# Altium PCB Power.PcbDoc
Units mil, origin at the board's own origin, x right, y up, seen from the top; angles counter-clockwise.
Board outline 2755.91 x 2165.35 mil, 2 copper layers (Top Layer, Bottom Layer), stack 21 mil thick; 113 components, 62 nets, 285 pads, 683 vias.
Unrouted connection lines stored in the file: 32.
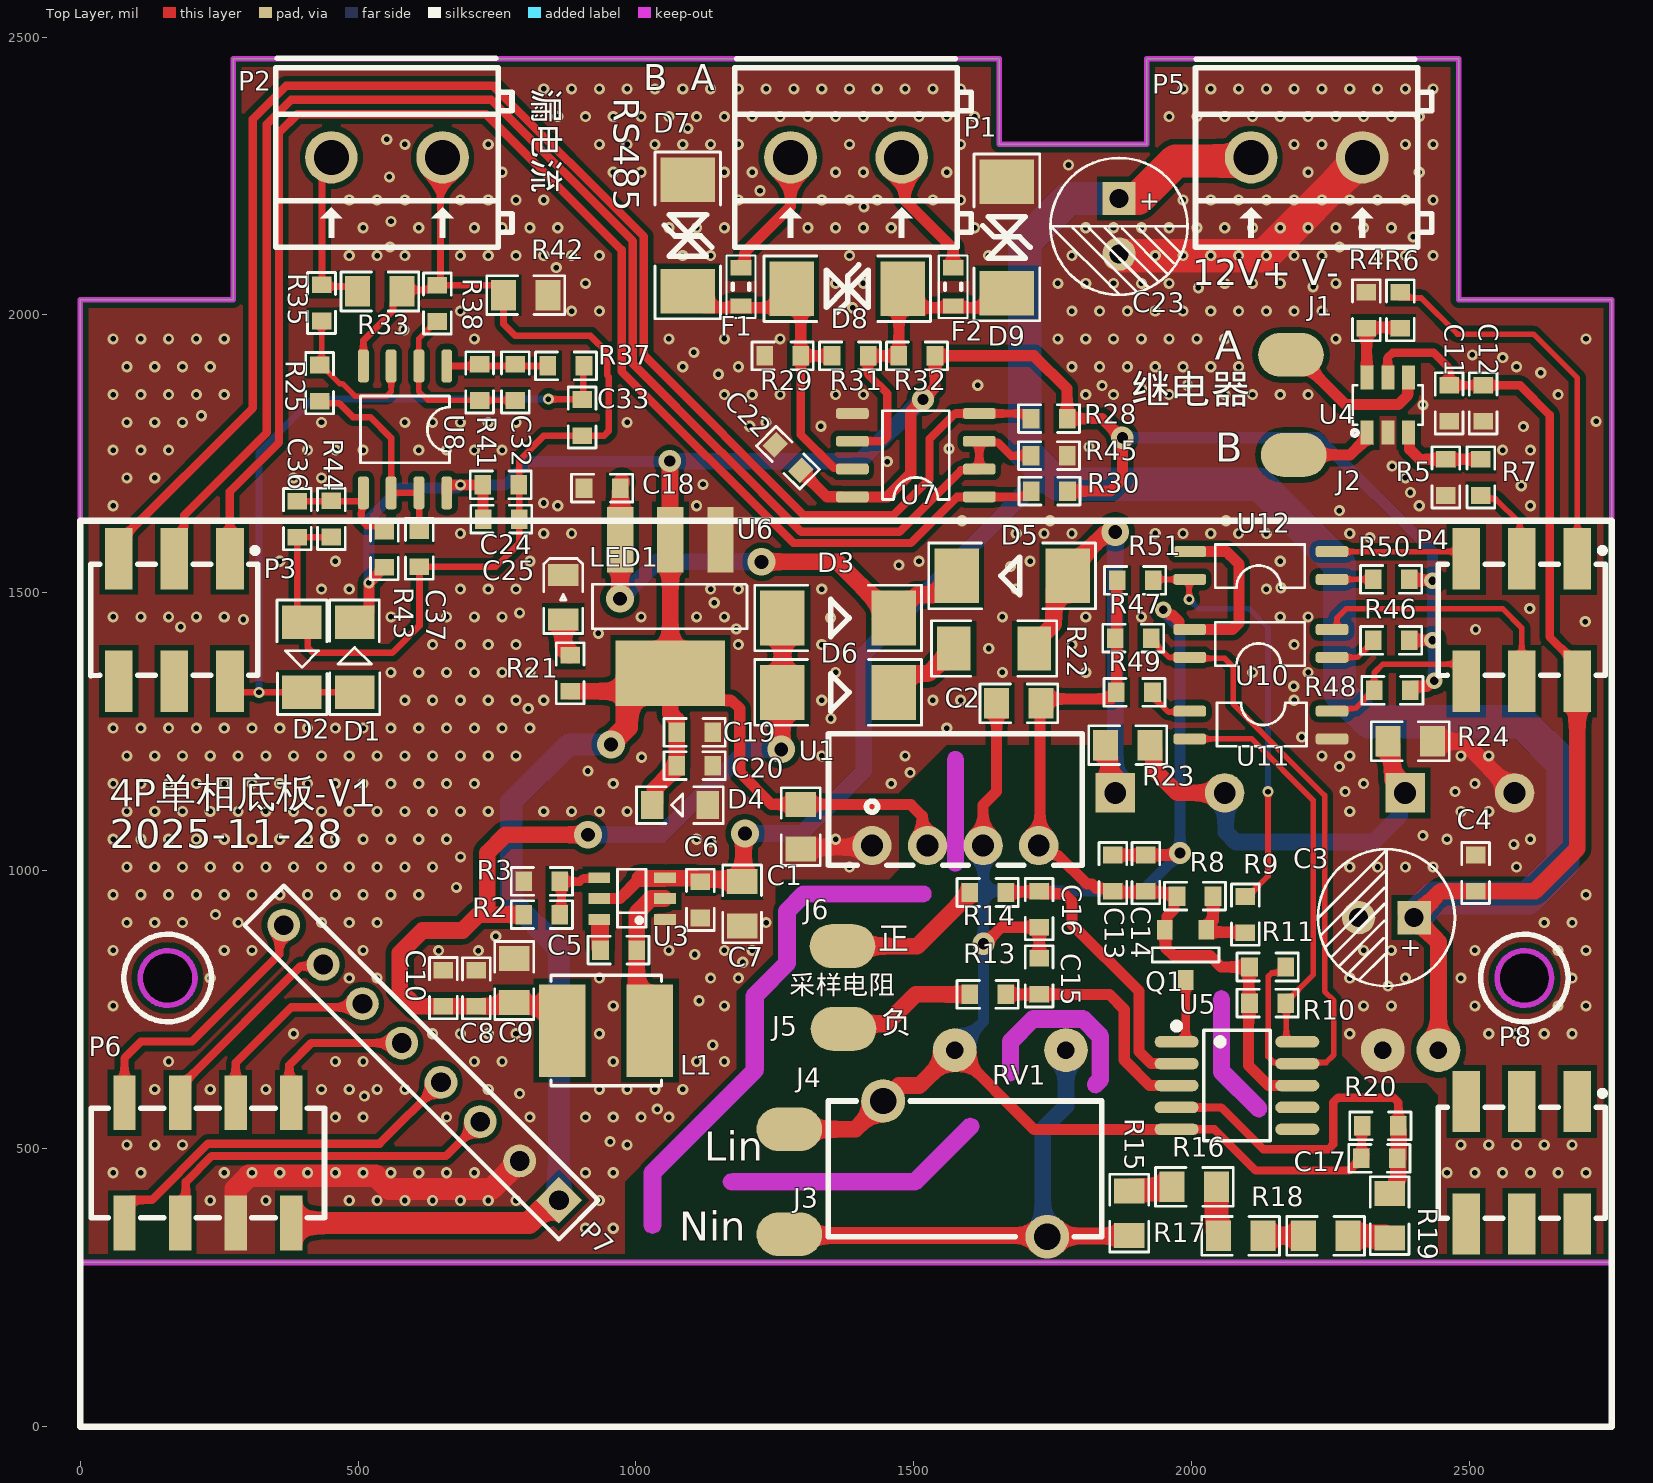
[diagram p0: Top Layer view]
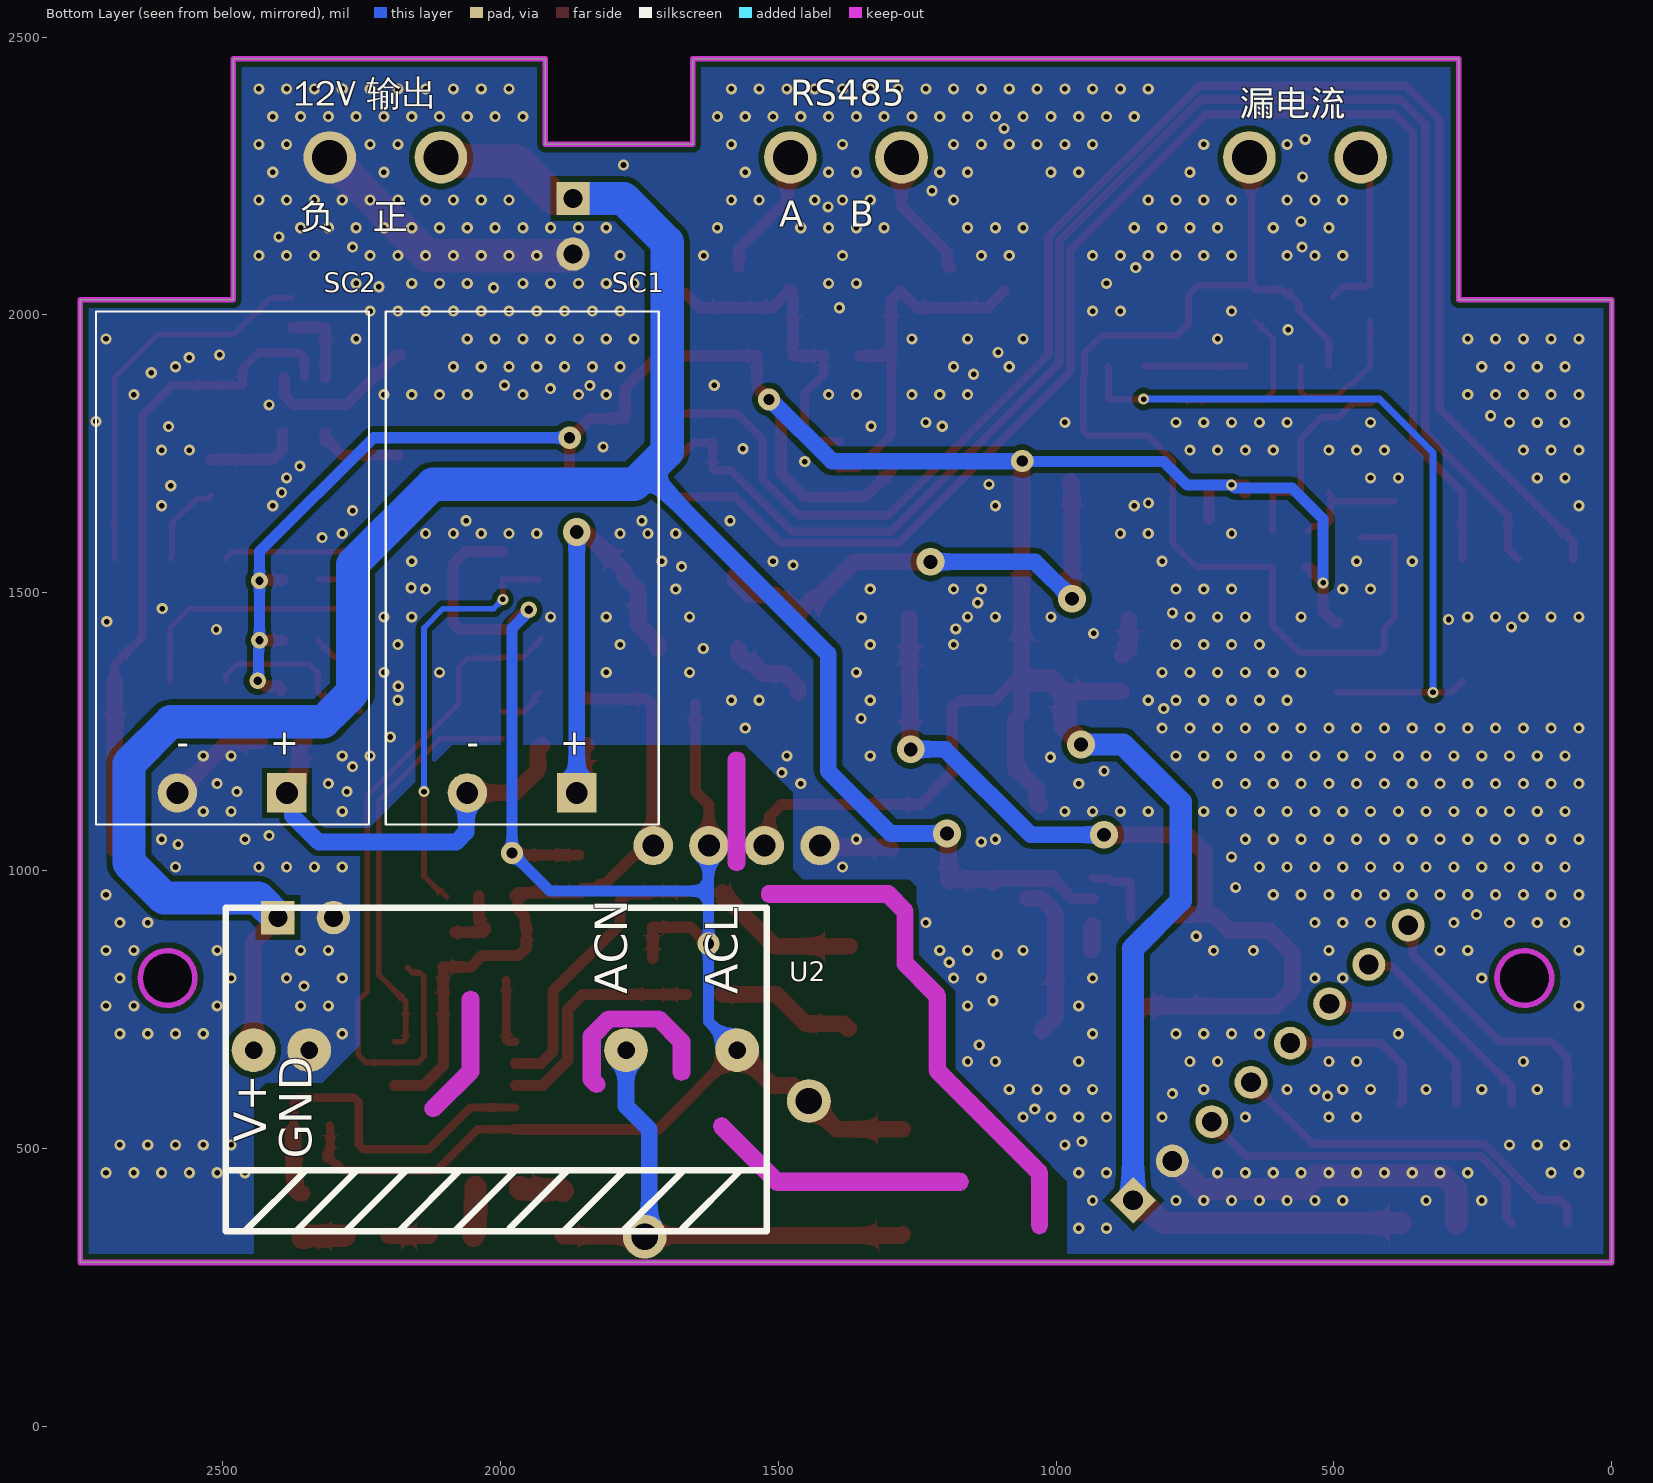
[diagram p1: Bottom Layer view, seen from below]

## Layer stack, top to bottom
Top Solder: solder mask 0.4, Solder Resist, Dk 3.5
Top Layer: signal copper 1.4
Dielectric 2: prepreg 2.8, Composite dielectric, Dk 4.1
Dielectric 1: prepreg 12.6, Composite dielectric, Dk 4.1
Dielectric 3: prepreg 2.8, Composite dielectric, Dk 4.1
Bottom Layer: signal copper 1.4
Bottom Solder: solder mask 0.4, Solder Resist, Dk 3.5

## Board outline
0,295.28 0,2027.56 275.59,2027.56 275.59,2460.63 1653.54,2460.63 1653.54,2307.45 1918.79,2307.45 1918.79,2460.13 1919.3,2460.63 2480.31,2460.63 2480.31,2027.56 2755.91,2027.56 2755.91,295.28
cut-out: 1172.23,425.45 cw(c1172.23,440.47) 1172.23,455.48 1495.82,455.48 1591.33,551 cw(c1601.95,540.38) 1616.96,540.38 cw(c1601.95,540.38) 1612.56,529.76 1512.65,429.85 1512.67,429.86 cw(c1502.04,440.47) 1502.04,425.45
cut-out: 1014.91,362.36 1014.91,456.93 cw(c1029.93,456.93) 1019.33,467.56 1019.31,467.54 1198.61,646.84 1198.61,775.08 cw(c1213.62,775.08) 1203.02,785.71 1203,785.7 1256.88,839.57 1256.88,927.4 cw(c1271.89,927.4) 1261.29,938.03 1261.27,938.02 1292.34,969.08 1292.32,969.07 cw(c1302.95,958.46) 1302.95,973.48 1515.77,973.48 cw(c1515.77,958.46) 1530.78,958.46 cw(c1515.77,958.46) 1515.77,943.45 1309.17,943.45 1286.91,921.18 1286.91,833.35 cw(c1271.89,833.35) 1282.49,822.72 1282.51,822.73 1228.64,768.86 1228.64,640.62 cw(c1213.62,640.62) 1224.23,629.99 1224.24,630 1044.94,450.71 1044.94,362.36 cw(c1029.93,362.36)
cut-out: 1559.76,1014.84 ccw(c1574.78,1014.84) 1589.79,1014.84 1589.79,1199.45 ccw(c1574.78,1199.45) 1559.76,1199.45
cut-out: 1658.98,637.64 ccw(c1674,637.64) 1689.01,637.64 1689.01,686.53 1720.57,718.08 1798.59,718.08 1820.42,696.26 1820.42,630.76 1816.24,626.58 ccw(c1826.86,615.96) 1837.47,605.34 1846.05,613.92 1846.04,613.91 ccw(c1835.44,624.54) 1850.45,624.54 1850.45,702.48 ccw(c1835.44,702.48) 1846.04,713.11 1846.05,713.09 1815.43,743.72 1815.44,743.7 ccw(c1804.81,733.1) 1804.81,748.11 1714.35,748.11 ccw(c1714.35,733.1) 1703.72,743.7 1703.73,743.72 1663.38,703.37 1663.39,703.38 ccw(c1674,692.75) 1658.98,692.75
cut-out: 2038.32,639.5 ccw(c2053.33,639.5) 2042.73,628.87 2042.71,628.88 2109.75,561.84 ccw(c2120.37,572.46) 2135.38,572.46 ccw(c2120.37,572.46) 2130.99,583.08 2068.35,645.72 2068.35,768.86 ccw(c2053.33,768.86) 2038.32,768.86
cut-out: 108.27,807.09 ccw(c157.48,807.09) 157.48,757.87 ccw(c157.48,807.09) 206.69,807.09 ccw(c157.48,807.09) 157.48,856.3 ccw(c157.48,807.09)
cut-out: 2549.21,807.09 ccw(c2598.43,807.09) 2598.43,757.87 ccw(c2598.43,807.09) 2647.64,807.09 ccw(c2598.43,807.09) 2598.43,856.3 ccw(c2598.43,807.09)

## Design rules (kind name [scope] priority, off if disabled: settings)
Clearance "Via to pad" [IsVia vs IsPad] p1: gap=10 ignorepadtopadclearanceinfootprint=FALSE
Clearance Ploy [InPoly] p2: gap=10 ignorepadtopadclearanceinfootprint=FALSE
Clearance "Track to pad" [IsTrack vs IsPad] p3: gap=8 ignorepadtopadclearanceinfootprint=FALSE
Clearance "Track to track" [IsTrack vs IsTrack] p4: gap=5 ignorepadtopadclearanceinfootprint=FALSE
Clearance "Via to Track" [IsVia vs IsTrack] p5: gap=10 ignorepadtopadclearanceinfootprint=FALSE
Clearance "Via To Via" [IsVia vs IsVia] p6: gap=10 ignorepadtopadclearanceinfootprint=FALSE
ComponentClearance [All] p1: gap=0 collisioncheckmode=3 verticalgap=0 showdistances=FALSE
DiffPairsRouting [All] p1: maxlimit=10 minlimit=7 mostfreqgap=7 toplayer_minwidth=5 toplayer_maxwidth=100 toplayer_prefwidth=7 bottomlayer_minwidth=5 bottomlayer_maxwidth=100 bottomlayer_prefwidth=7 maxuncoupledlength=500
HoleSize [All] p1: absolutevalues=TRUE maxlimit=200 minlimit=1 maxpercent=80.000 minpercent=20.000
HoleToHoleClearance [All] p1: gap=5 allowstackedmicrovias=TRUE
MinimumSolderMaskSliver [All] p1: minsoldermaskwidth=0
PolygonConnect [All vs (InPadClass('All Pads'))] p1: connectstyle=Direct reliefconductorwidth=10 reliefentries=4 polygonreliefangle="90 Angle" airgapwidth=10
PolygonConnect GND焊盘 [InNet('GND_1') vs (InPadClass('All Pads'))] p2: connectstyle=Relief reliefconductorwidth=10 reliefentries=4 polygonreliefangle="90 Angle" airgapwidth=10
PolygonConnect GND过孔 [All vs IsVia] p3: connectstyle=Direct reliefconductorwidth=10 reliefentries=4 polygonreliefangle="90 Angle" airgapwidth=10
RoutingVias RoutingVias_1 [InNet('AGND_1')] p1: holewidth=10 width=20 viastyle="Through Hole" minholewidth=10 minwidth=20 maxholewidth=28 maxwidth=50
RoutingVias [All] p2: holewidth=10 width=20 viastyle="Through Hole" minholewidth=10 minwidth=20 maxholewidth=28 maxwidth=50
SilkToSilkClearance [All] p1: silktosilkclearance=0
SilkToSolderMaskClearance [IsPad] p1: minsilkscreentomaskgap=0 clearancetoexposedcopper=TRUE
SolderMaskExpansion [All] p1: expansion=1 istentingtop=FALSE
Width [All] p1: maxlimit=300 minlimit=5 preferedwidth=7 minimp=50.000000 maximp=50.000000 favimp=50.000000
23 further rules are at their usual default settings.

## Classes and differential pairs
component class RS485: C22 D7 D8 D9 F1 F2 P1 R28 R29 R30 R31 R32 R45 U7
component class 漏电流检测: C24 C25 C32 C33 C36 C37 D1 D2 P2 R25 R33 R35 R37 R38 R41 R42 R43 R44 U8
component class 连接: P3 P4 P6 P7 P8
component class 继电器: C11 C12 J1 J2 R4 R5 R6 R7 U4
component class Power: C3 C4 C5 C6 C7 C8 C9 C10 C18 C19 C20 C23 D3 D4 D5 D6 L1 LED1 P5 R2 R3 R21 R22 R23 R24 SC1 SC2 U2 U3 U6
component class 计量: C1 C2 C13 C14 C15 C16 C17 J3 J4 J5 J6 Q1 R8 R9 R10 R11 R13 R14 R15 R16 R17 R18 R19 R20 R46 R47 R48 R49 R50 R51 RV1 U1 U5 U10 U11 U12

## Components (designator, comment, footprint, x,y, rotation, side; value= is the part's Value field where it differs from the comment)
C1 "4.7uF/25V" 0805R 1296.5,1119.49 r270 top
C2 "10uF/25V" 0805R 1729,1301.28 r180 top
C3 "100uF/25V" CAPPIND06 2400.2,915.67 r180 top
C4 "104/25V" 0603R 2510.58,1028.46 r270 top
C5 "104/25V" 0603R 1001.2,857.27 r180 top
C6 "10uF/25V" 0603R 1115.88,915.16 r90 top
C7 "22uF/25V" 0805R 1191.02,980.46 r270 top
C8 "10uF/25V" 0603R 713.11,821.14 r270 top
C9 "47uF/10V" 0805R 781,762.62 r90 top
C10 "104/10V" 0603R 653.63,821.32 r270 top
C11 "22uF/25V" 0603R 2463.03,1808.51 r90 top
C12 "104/25V" 0603R 2524.07,1808.51 r90 top
C13 "104/25V" 0603R 1858.13,1028.37 r270 top
C14 "10uF/25V" 0603R 1917.47,1028.37 r270 top
C15 "68nF/10V" 0603R 1725.61,777.58 r90 top
C16 "68nF/10V" 0603R 1725.61,963.46 r270 top
C17 "10nF/10V" 0603R 2369.91,482.47 r180 top
C18 "10uF/10V" 0603R 906.64,1688.37 r0 top
C19 "10uF/10V" 0603R 1138.16,1248.94 r180 top
C20 "104/10V" 0603R 1138.16,1189.09 r180 top
C22 "0.1uf/10V" 0603R 1296.5,1720.31 r135 top
C23 "100uF/25V" CAPPIND06 1869.07,2209.4 r270 top
C24 "10uF" 0603R 789.36,1694.25 r180 top
C25 "10uF" 0603R 790.23,1632.55 r180 top
C32 "0.1uF" 0603R 783.03,1846.22 r90 top
C33 "0.1uF" 0603R 903.25,1847.94 r270 top
C36 "100nF/16V" 0603R 390.78,1665.05 r270 top
C37 "100nF/16V" 0603R 610.51,1611.92 r270 top
D1 "1N4148" 1206D 494.03,1383.98 r90 top
D2 "1N4148" 1206D 399.03,1383.98 r270 top
D3 "SS34" DO-214AC 1463.62,1454.75 r0 top
D4 "SD03C" SOD323 1029.18,1118.21 r180 top
D5 "SS34" DO-214AC 1576.86,1530.61 r180 top
D6 "SS34" DO-214AC 1463.62,1320.89 r0 top
D7 "SMAJ6.8CA" "DO-214AC 双极性" 1093.29,2143.07 r90 top
D8 "SMAJ6.8CA" "DO-214AC 双极性" 1380.2,2047.12 r180 top
D9 "SMAJ6.8CA" "DO-214AC 双极性" 1667.31,2139.42 r270 top
F1 "60V 100mA" R0603 1189.06,2050.71 r90 top
F2 "60V 100mA" R0603 1570.73,2050.71 r90 top
J1 "J1" 贴片焊盘V1（3*2椭圆） 2178.45,1928.28 r0 top
J2 "J1" 贴片焊盘V1（3*2椭圆） 2183.55,1748.28 r0 top
J3 "J1" 贴片焊盘V1（3*2椭圆） 1276.08,346.07 r0 top
J4 "J1" 贴片焊盘V1（3*2椭圆） 1276.08,535.09 r0 top
J5 "J1" 贴片焊盘V1（3*2椭圆） 1373.46,715.55 r0 top
J6 "J1" 贴片焊盘V1（3*2椭圆） 1371.54,864.46 r0 top
L1 "4.7uH/3A" 贴片电感5020 1025.27,712.45 r0 top
LED1 "LED" 0603LED 869.28,1452.06 r90 top
P1 "Header 2" CONN-TH_P5.08_KF127-5.08-2P 1378.09,2283.58 r0 top locked
P2 "Header 2" CONN-TH_P5.08_KF127-5.08-2P 552.03,2283.58 r0 top locked
P3 "Header 3X2" CONN-SMD_5BME8-08872-203-W0 169.53,1451.26 r180 top
P4 "Header 3X2" CONN-SMD_5BME8-08872-203-W0 2593.69,1451.26 r180 top
P5 "Header 2" CONN-TH_P5.08_KF127-5.08-2P 2206.76,2283.58 r0 top locked
P6 "Header 4X2" CONN-SMD_5BME8-08872-204-W0 229.92,474.57 r180 top
P7 "Header 8" HDR1X8 861.48,407.25 r135 top
P8 "Header 3X2" CONN-SMD_5BME8-08872-203-W0 2593.69,474.57 r180 top
Q1 "AO3401" SOT-23 2026.36,893.98 r180 top
R2 "60.4K" 0603R 798.17,921.14 r0 top
R3 "103" 0603R 863.17,980.84 r180 top
R4 "4.7K/5%" 0603R 2313.99,2040.92 r270 top
R5 "4.7K/5%" 0603R 2457,1675.26 r90 top
R6 "100R/5%" 0603R 2375.25,2040.92 r270 top
R7 "100R/5%" 0603R 2520.12,1740.26 r270 top
R8 "47K/5%/0603" 0603R 2038.3,954.34 r180 top
R9 "4.7K/5%/0603" 0603R 2096.47,888.67 r90 top
R10 "2K/5%/0603" 0603R 2168.98,761.75 r180 top
R11 "2K/5%/0603" 0603R 2168.98,826.93 r180 top
R13 "510R/1%" 0603R 1600.4,777.58 r0 top
R14 "510R/1%" 0603R 1600.39,960.96 r0 top
R15 "390K" 0805R 1887.63,423.95 r270 top
R16 "390K" 0805R 2044.64,431.33 r180 top
R17 "390K" 0805R 2127.88,343.2 r180 top
R18 "390K" 0805R 2280.84,343.21 r180 top
R19 "390K" 0805R 2355.99,419.71 r270 top
R20 "510R/1%" 0603R 2306.71,541.28 r0 top
R21 "1K/5%/0603" 0603R 881.64,1322.92 r90 top
R22 "4.99R/2W" 1206 1716.95,1399.87 r180 top
R23 "270K/1%/0805" 0805R 1924.86,1226.02 r180 top
R24 "270K/1%/0805" 0805R 2433.08,1233.01 r180 top
R25 "300K/1%/0603" 0603r 430.97,1844.95 r90 top
R28 "4.7K/5%/0603" 0603R 1710.74,1813.47 r0 top
R29 "1K/5%/.0603" 0603R 1231.5,1926.51 r0 top
R30 "4.7K/5%/0603" 0603R 1711.5,1683.07 r0 top
R31 "120R/5%/0603" 0603R 1352.73,1926.51 r0 top
R32 "1K/5%/0603" 0603R 1473.14,1926.51 r0 top
R33 "100R/1%" 0805R 579.34,2042.35 r180 top
R35 "1K/1%/0603" 0603r 434.38,1989.12 r90 top
R37 "100R/1%/0603" 0603r 906.64,1908.25 r180 top
R38 "1K/1%/0603" 0603r 642.83,1988.2 r90 top
R41 "300K/1%/0603" 0603r 718.85,1911.22 r270 top
R42 "0R/5%/0805" 0805R 841.78,2035.61 r180 top
R43 "20K/1%/0603" 0603r 547.28,1545.91 r90 top
R44 "20K/1%/0603" 0603r 451.93,1665.57 r270 top
R45 "47K/5%/0603" 0603R 1710.74,1746.78 r0 top
R46 "471" 0603R 2391.25,1414.61 r180 top
R47 "102" 0603R 1927.32,1418.4 r180 top
R48 "102" 0603R 2328.3,1324.44 r0 top
R49 "471" 0603R 1864.41,1320.89 r0 top
R50 "471" 0603R 2391.25,1524.26 r180 top
R51 "102" 0603R 1930.71,1522.33 r180 top
RV1 "7S561K" 10D821K 1592.4,463.76 r180 top
SC1 "10F/2.7V" "SuperCap-12.5*20 - 躺着" 1960.88,1140.13 r0 bottom locked
SC2 "10F/2.7V" "SuperCap-12.5*20 - 躺着" 2482.41,1140.13 r0 bottom locked
U1 "B0303S" B1205S-1WR3 -229.52,1102.52 r0 top
U2 "X1071    90-240V" X1071 1573.75,677.45 r0 bottom locked
U3 "DIO6930" SOT-23-6DBV 1052.09,912.66 r90 top
U4 "BL8023FCBT6R" SOT-23-6 2315.4,1788.87 r0 top
U5 "BL0942" BL0942-10pin 1972.78,692.37 r270 top
U6 "BL1117-33CX" SOT-223 1152.1,1595.34 r180 top
U7 "BL3085" SO8 1617.75,1672.75 r180 top
U8 "LM258" SO8 659.66,1908.25 r270 top
U10 "EL3H7" EL3H7 2252.37,1384.07 r180 top
U11 "EL3H7" EL3H7 1996.45,1287.18 r0 top
U12 "EL3H7" EL3H7 2252.37,1524.26 r180 top

## Footprints (in the part's own frame and the unit in brackets; to place one, negate y for a bottom-side part, rotate by r counter-clockwise, add the part's x,y. Pads: shape width x height; smd on the part's side, far side on the other; paste and mask are expansions set on the pad)
10D821K [mm]
  round 2 hole 1.2 copper offset 0,0: 1(-3.75,3.1) 2(3.75,-3.1)
  silkscreen extent -6.25,-3.1 6.25,3.1
0603LED [mm]
  rect 1x1.4 smd: 1(0,0) 2(2.032,0)
  silkscreen extent -0.64,-0.89 2.79,0.89
0603R [mil]
  rect 30x35 smd: 1(0,0) 2(65,0)
  silkscreen extent -23,-25 88,25
0603r [mil]
  rect 30x35 smd: 1(0,0) 2(65,0)
  silkscreen extent -22,-25 88,25
0805R [mil]
  rect 45x55 smd: 1(0,0) 2(80,0)
  silkscreen extent -30,-35 110,35
1206 [mil]
  rect 60x78.74 smd: 1(0,0) 2(145,0)
  silkscreen extent -40,-50 185,50
1206D [mm]
  rect 1.524x1.8 smd: 1(1.6,0) 2(-1.6,0)
  silkscreen extent -2.62,-1.14 2.62,1.14
B1205S-1WR3 [mm]
  round 1.8 hole 1: 1(42.019,-1.451) 2(44.559,-1.451) 3(47.099,-1.451) 4(49.639,-1.451)
  silkscreen extent 40.03,-2.35 51.63,3.65
BL0942-10pin [mm]
  oval 0.525x2.014 smd: 1(0,0) 2(1,0) 3(2,0) 4(3,0) 5(4,0) 6(4,5.513) 7(3,5.513) 8(2,5.513) 9(1,5.513) 10(0,5.513)
  silkscreen extent -0.86,-0.15 4.53,4.28
CAPPIND06 [mil]
  rect 60x60 hole 34: 1(0,0)
  round 60 hole 34: 2(100,0)
  silkscreen extent -73,-123 173,123
CONN-SMD_5BME8-08872-203-W0 [mm]
  rect 1.27x2.8 smd paste+0.051: 1(-2.54,-2.8) 2(-2.54,2.8) 3(0,-2.8) 4(0,2.8) 5(2.54,-2.8) 6(2.54,2.8)
  silkscreen extent -3.81,-3.3 3.81,2.54
CONN-SMD_5BME8-08872-204-W0 [mm]
  rect 1.02x2.5 smd paste+0 mask+0.05: 1(-3.81,-2.75) 2(-3.81,2.75) 3(-1.27,-2.75) 4(-1.27,2.75) 5(1.27,-2.75) 6(1.27,2.75) 7(3.81,-2.75) 8(3.81,2.75)
  silkscreen extent -5.33,-2.5 5.33,2.5
CONN-TH_P5.08_KF127-5.08-2P [mm]
  round 2.4 hole 1.6 paste+0.051: 1(-2.54,0) 2(2.54,0)
  silkscreen extent -5.08,-4.1 5.71,4.1
DO-214AC [mil]
  rect 80x98.43 smd: 1(0,0) 2(-200,0)
  silkscreen extent -250,-59 50,59
"DO-214AC 双极性" [mil]
  rect 80x98.43 smd: 1(100,0) 2(-100,0)
  silkscreen extent -150,-59 150,59
EL3H7 [mm]
  rrect50% 1.5x0.5 smd: 1(0,0) 2(0,-1.27) 3(6.5,-1.27) 4(6.5,0)
  silkscreen extent 1.24,-1.6 5.33,0.38
HDR1X8 [mm] "Connector; Header; 8 Position"
  rect 1.5x1.5 hole 0.9: 1(0,0)
  round 1.5 hole 0.9: 2(2.54,0) 3(5.08,0) 4(7.62,0) 5(10.16,0) 6(12.7,0) 7(15.24,0) 8(17.78,0)
  silkscreen extent -1.27,-1.27 19.05,1.27
R0603 [mm] "Chip Capacitor, 2-Leads, Body 1.60x0.80mm, IPC Medium Density"
  rect 0.7x0.95 smd: 1(-0.875,0) 2(0.875,0)
  silkscreen extent -1.42,-0.66 1.42,0.66, body extent -0.8,-0.4 0.8,0.4, height 0.9
SO8 [mm]
  rrect50% 1.5x0.5 smd: 1(0,0) 2(0,-1.27) 3(0,-2.54) 4(0,-3.81) 5(5.8,-3.81) 6(5.8,-2.54) 7(5.8,-1.27) 8(5.8,0)
  silkscreen extent 1.38,-3.94 4.42,0.13
SOD323 [mil]
  rect 40x50 smd: 1(0,0) 2(-100,0)
  silkscreen extent -128,-33 28,33
SOT-23 [mm]
  rect 0.7x0.9 smd: 1(0,0) 2(1.9,0) 3(0.95,2.3)
  silkscreen extent -0.57,0.82 2.47,1.47
SOT-23-6 [mm]
  rect 0.6x1.1 smd: 1(0,0) 2(0.95,0) 3(1.9,0) 4(1.9,2.5) 5(0.95,2.5) 6(0,2.5)
  silkscreen extent -0.69,-0.15 2.55,2.15
SOT-23-6DBV [mm]
  rect 0.5x1 smd: 1(0,0) 2(0.95,0) 3(1.9,0) 4(1.9,3) 5(0.95,3) 6(0,3)
  silkscreen extent -0.37,0.86 2.29,2.16
SOT-223 [mm]
  rect 1.2x3 smd: 1(0,0) 2(2.29,0) 3(4.58,0)
  rect 5x3 smd: 2(2.29,6.096)
  silkscreen extent -1.21,2.03 5.85,4.06
"SuperCap-12.5*20 - 躺着" [mm]
  rect 1.8x1.8 hole 1: 1(-2.5,0)
  round 1.8 hole 1: 2(2.5,0)
  silkscreen extent -6.25,-22 6.22,1.45
X1071 [mm]
  round 2 hole 0.8: 1(0,0) 2(5.08,0) 4(19.56,0) 5(22.1,0)
  silkscreen extent -1.36,-6.5 23.38,8.28
贴片焊盘V1（3*2椭圆） [mm]
  oval 3x2 smd: 1(0,0)
贴片电感5020 [mm]
  rect 2.124x4.22 smd: 1(0,0) 2(-4,0)
  silkscreen extent -4.53,-2.53 0.53,2.53

## Part data
C1 C2 SC1 SC2: library part CAP+
C3 C7 C9 C23: library part "Cap Pol1", "Polarized Capacitor (Radial)", LatestRevisionDate=17-Jul-2002, LatestRevisionNote="Re-released for DXP Platform.", PackageDescription="Polarized Capacitor (Radial); 2 Leads", PackageReference=RB7.6-15, Published=8-Jun-2000, Publisher="Altium Limited"
C4 C5 C10 C11 C12 C13 C14 C20: library part CAP_1
C6 C8 C15 C16 C17 C18 C19 C22 C24 C25 C32 C33 C36 C37: library part CAP
D1 D2 D3 D5 D6: library part DIODE
D4 D7 D8 D9: library part TVS
F1 F2: library part FUSE
L1: library part Inductor, "Inductor", Code_IEC=1005, Code_JEITA=0402, LatestRevisionDate=29-May-2009, LatestRevisionNote="IPC-7351 Footprint Added.", PackageDescription="Chip Inductor", PackageReference=0402-A, Published=8-Jun-2000, Publisher="Altium Limited"
P1 P2 P5: "Header, 2-Pin", LatestRevisionDate=17-Jul-2002, LatestRevisionNote="Re-released for DXP Platform.", Publisher="Altium Limited"
P3 P4 P8: "Header, 3-Pin, Dual row", LatestRevisionDate=17-Jul-2002, LatestRevisionNote="Re-released for DXP Platform.", Publisher="Altium Limited"
P6: "Header, 4-Pin, Dual row", LatestRevisionDate=17-Jul-2002, LatestRevisionNote="Re-released for DXP Platform.", Publisher="Altium Limited"
P7: "Header, 8-Pin", LatestRevisionDate=17-Jul-2002, LatestRevisionNote="Re-released for DXP Platform.", Publisher="Altium Limited"
Q1: library part PNP
R2 R3 R22 R23 R24: library part Res2, "Resistor", LatestRevisionDate=17-Jul-2002, LatestRevisionNote="Re-released for DXP Platform.", PackageDescription="Axial Device, Thru-Hole; 2 Leads; 0.4 in Pin Spacing", PackageReference=AXIAL-0.4, Published=8-Jun-2000, Publisher="Altium Limited"
R4 R5 R6 R7 R8 R9 R10 R11 R13 R14 R15 R16 R17 R18 R19 R20 R21 R25 R28 R29 R30 R31 R32 R33 R35 R37 R38 R41 R42 R43 R44 R45 R46 R47 R48 R49 R50 R51: library part RES
RV1: library part "Res Varistor", "Varistor (Voltage-Sensitive Resistor)", Code_IPC=RESC2012, LatestRevisionDate=29-May-2009, LatestRevisionNote="IPC-7351 Footprint Added.", PackageDescription="Chip Resistor 0805 Case Size", PackageReference=6-0805, PackageVersion=Mar-2003, Published=24-Mar-1999, Publisher="Altium Limited"
U1: library part B0505S
U2: library part AD2DC_EMC
U3: library part BL8032
U4: library part BL8023HCB6TR, JLCPCB Part Class="Extended Part", LCSC Part Name="BL8023HCB6TR 继电器驱动芯片 停产", Manufacturer=BL(上海贝岭), Add into BOM=yes, Convert to PCB=yes, Datasheet=https://atta.szlcsc.com/upload/public/pdf/source/20190920/C431145_DEC39E836DB2A2F1462A8BB350F12ABB.pdf, Device=BL8023HCB6TR, Manufacturer Part=BL8023HCB6TR, Supplier=LCSC, Supplier Footprint=SOT-23-6, Supplier Part=C431145, Symbol=BL8023HCB6TR
U5: library part BL0942_C2837510, JLCPCB Part Class="Extended Part", LCSC Part Name=BL0942内置时钟免校准计量芯片, Manufacturer=BL(上海贝岭), Add into BOM=yes, Convert to PCB=yes, Datasheet=https://atta.szlcsc.com/upload/public/pdf/source/20220627/BFAD44701CA6DE9A8853C5A4834B6884.pdf, Device=BL0942_C2837510, Manufacturer Part=BL0942, Supplier=LCSC, Supplier Footprint=SSOP-10-150mil, Supplier Part=C2837510, Symbol=BL0942
U6: library part AMS1117
U7: library part MAX485
U8: library part LM358
U10 U11 U12: library part Optical_Coupler_1

## Via types
v1: diameter 20, hole 10, Top Layer to Bottom Layer, 667 vias
v2: diameter 50, hole 25, Top Layer to Bottom Layer, 7 vias
v3: diameter 40, hole 20, Top Layer to Bottom Layer, 5 vias
v4: diameter 30, hole 15, Top Layer to Bottom Layer, 4 vias
